# KiCad board rabbit_mask.kicad_pcb (continued)
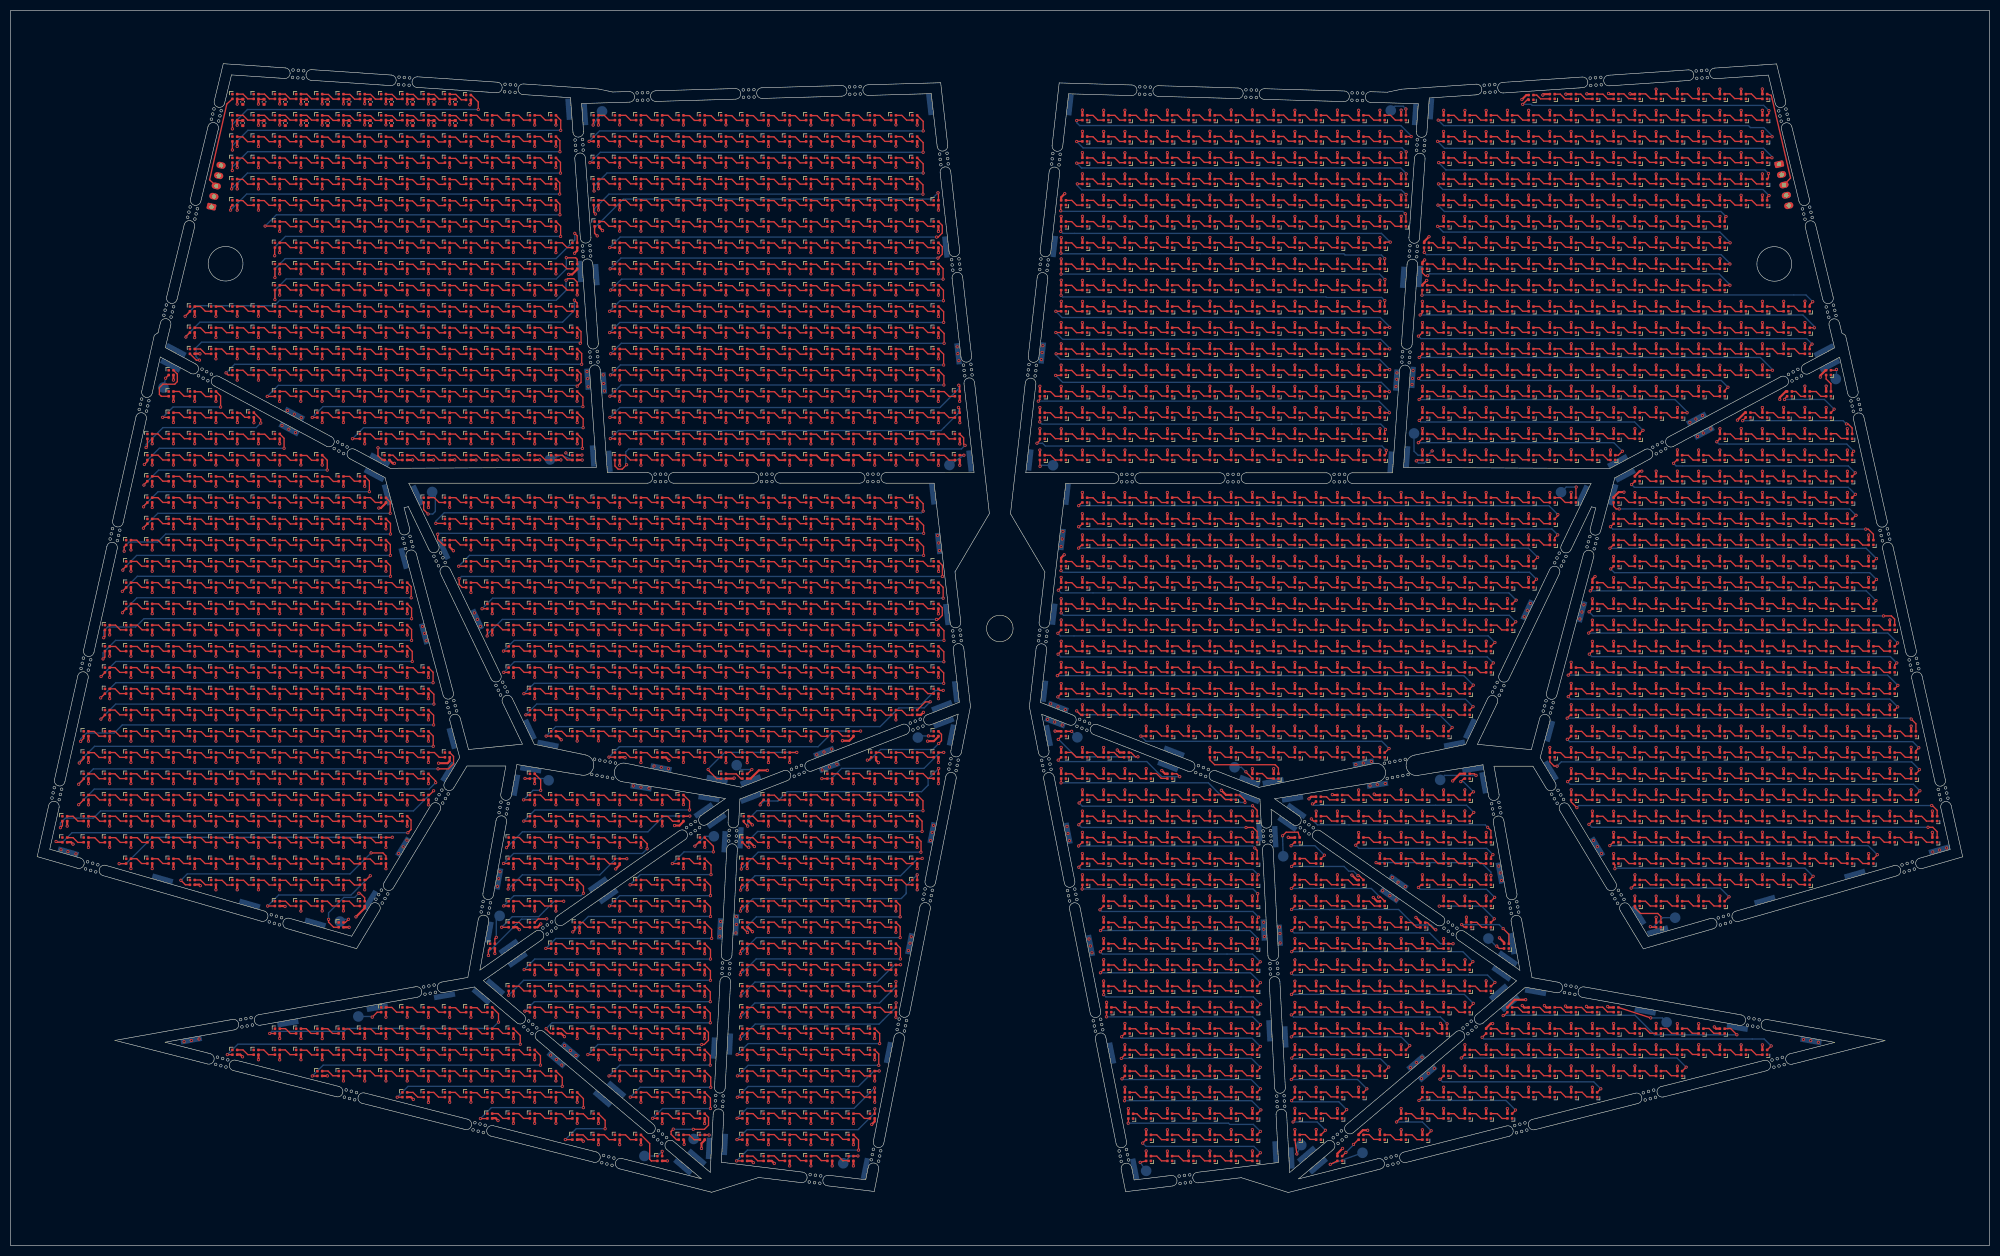
[diagram p0: board, top side]
## Placement (name value [footprint] x y rotation side) (continued)
D1842  SK6812-1515  [LED_SK6812_EC15_1.5x1.5mm]  282.2 172.36 180 top
D1843  SK6812-1515  [LED_SK6812_EC15_1.5x1.5mm]  286.2 172.36 180 top
D1844  SK6812-1515  [LED_SK6812_EC15_1.5x1.5mm]  290.2 172.36 180 top
D1845  SK6812-1515  [LED_SK6812_EC15_1.5x1.5mm]  294.2 172.36 180 top
D1846  SK6812-1515  [LED_SK6812_EC15_1.5x1.5mm]  298.2 172.36 180 top
D1847  SK6812-1515  [LED_SK6812_EC15_1.5x1.5mm]  302.2 172.36 180 top
D1848  SK6812-1515  [LED_SK6812_EC15_1.5x1.5mm]  306.2 172.36 180 top
D1849  SK6812-1515  [LED_SK6812_EC15_1.5x1.5mm]  310.2 172.36 180 top
D1850  SK6812-1515  [LED_SK6812_EC15_1.5x1.5mm]  314.2 172.36 180 top
D1851  SK6812-1515  [LED_SK6812_EC15_1.5x1.5mm]  318.2 172.36 180 top
D1852  SK6812-1515  [LED_SK6812_EC15_1.5x1.5mm]  322.2 172.36 180 top
D1853  SK6812-1515  [LED_SK6812_EC15_1.5x1.5mm]  326.2 172.36 180 top
D1854  SK6812-1515  [LED_SK6812_EC15_1.5x1.5mm]  330.2 172.36 180 top
D1855  SK6812-1515  [LED_SK6812_EC15_1.5x1.5mm]  334.2 172.36 180 top
D1856  SK6812-1515  [LED_SK6812_EC15_1.5x1.5mm]  338.2 172.36 180 top
D1857  SK6812-1515  [LED_SK6812_EC15_1.5x1.5mm]  198.2 168.36 180 top
D1858  SK6812-1515  [LED_SK6812_EC15_1.5x1.5mm]  202.2 168.36 180 top
D1859  SK6812-1515  [LED_SK6812_EC15_1.5x1.5mm]  206.2 168.36 180 top
D1860  SK6812-1515  [LED_SK6812_EC15_1.5x1.5mm]  210.2 168.36 180 top
D1861  SK6812-1515  [LED_SK6812_EC15_1.5x1.5mm]  214.2 168.36 180 top
D1862  SK6812-1515  [LED_SK6812_EC15_1.5x1.5mm]  218.2 168.36 180 top
D1863  SK6812-1515  [LED_SK6812_EC15_1.5x1.5mm]  222.2 168.36 180 top
D1864  SK6812-1515  [LED_SK6812_EC15_1.5x1.5mm]  226.2 168.36 180 top
D1865  SK6812-1515  [LED_SK6812_EC15_1.5x1.5mm]  230.2 168.36 180 top
D1866  SK6812-1515  [LED_SK6812_EC15_1.5x1.5mm]  234.2 168.36 180 top
D1867  SK6812-1515  [LED_SK6812_EC15_1.5x1.5mm]  238.2 168.36 180 top
D1868  SK6812-1515  [LED_SK6812_EC15_1.5x1.5mm]  242.2 168.36 180 top
D1869  SK6812-1515  [LED_SK6812_EC15_1.5x1.5mm]  246.2 168.36 180 top
D1870  SK6812-1515  [LED_SK6812_EC15_1.5x1.5mm]  250.2 168.36 180 top
D1871  SK6812-1515  [LED_SK6812_EC15_1.5x1.5mm]  254.2 168.36 180 top
D1872  SK6812-1515  [LED_SK6812_EC15_1.5x1.5mm]  258.2 168.36 180 top
D1873  SK6812-1515  [LED_SK6812_EC15_1.5x1.5mm]  266.2 168.36 180 top
D1874  SK6812-1515  [LED_SK6812_EC15_1.5x1.5mm]  270.2 168.36 180 top
D1875  SK6812-1515  [LED_SK6812_EC15_1.5x1.5mm]  274.2 168.36 180 top
D1876  SK6812-1515  [LED_SK6812_EC15_1.5x1.5mm]  278.2 168.36 180 top
D1877  SK6812-1515  [LED_SK6812_EC15_1.5x1.5mm]  282.2 168.36 180 top
D1878  SK6812-1515  [LED_SK6812_EC15_1.5x1.5mm]  286.2 168.36 180 top
D1879  SK6812-1515  [LED_SK6812_EC15_1.5x1.5mm]  290.2 168.36 180 top
D1880  SK6812-1515  [LED_SK6812_EC15_1.5x1.5mm]  294.2 168.36 180 top
D1881  SK6812-1515  [LED_SK6812_EC15_1.5x1.5mm]  298.2 168.36 180 top
D1882  SK6812-1515  [LED_SK6812_EC15_1.5x1.5mm]  302.2 168.36 180 top
D1883  SK6812-1515  [LED_SK6812_EC15_1.5x1.5mm]  306.2 168.36 180 top
D1884  SK6812-1515  [LED_SK6812_EC15_1.5x1.5mm]  310.2 168.36 180 top
D1885  SK6812-1515  [LED_SK6812_EC15_1.5x1.5mm]  314.2 168.36 180 top
D1886  SK6812-1515  [LED_SK6812_EC15_1.5x1.5mm]  318.2 168.36 180 top
D1887  SK6812-1515  [LED_SK6812_EC15_1.5x1.5mm]  322.2 168.36 180 top
D1888  SK6812-1515  [LED_SK6812_EC15_1.5x1.5mm]  326.2 168.36 180 top
D1889  SK6812-1515  [LED_SK6812_EC15_1.5x1.5mm]  330.2 168.36 180 top
D1890  SK6812-1515  [LED_SK6812_EC15_1.5x1.5mm]  334.2 168.36 180 top
D1891  SK6812-1515  [LED_SK6812_EC15_1.5x1.5mm]  338.2 168.36 180 top
D1892  SK6812-1515  [LED_SK6812_EC15_1.5x1.5mm]  198.2 164.36 180 top
D1893  SK6812-1515  [LED_SK6812_EC15_1.5x1.5mm]  202.2 164.36 180 top
D1894  SK6812-1515  [LED_SK6812_EC15_1.5x1.5mm]  206.2 164.36 180 top
D1895  SK6812-1515  [LED_SK6812_EC15_1.5x1.5mm]  210.2 164.36 180 top
D1896  SK6812-1515  [LED_SK6812_EC15_1.5x1.5mm]  214.2 164.36 180 top
D1897  SK6812-1515  [LED_SK6812_EC15_1.5x1.5mm]  218.2 164.36 180 top
D1898  SK6812-1515  [LED_SK6812_EC15_1.5x1.5mm]  222.2 164.36 180 top
D1899  SK6812-1515  [LED_SK6812_EC15_1.5x1.5mm]  226.2 164.36 180 top
D1900  SK6812-1515  [LED_SK6812_EC15_1.5x1.5mm]  230.2 164.36 180 top
D1901  SK6812-1515  [LED_SK6812_EC15_1.5x1.5mm]  234.2 164.36 180 top
D1902  SK6812-1515  [LED_SK6812_EC15_1.5x1.5mm]  238.2 164.36 180 top
D1903  SK6812-1515  [LED_SK6812_EC15_1.5x1.5mm]  242.2 164.36 180 top
D1904  SK6812-1515  [LED_SK6812_EC15_1.5x1.5mm]  246.2 164.36 180 top
D1905  SK6812-1515  [LED_SK6812_EC15_1.5x1.5mm]  250.2 164.36 180 top
D1906  SK6812-1515  [LED_SK6812_EC15_1.5x1.5mm]  254.2 164.36 180 top
D1907  SK6812-1515  [LED_SK6812_EC15_1.5x1.5mm]  258.2 164.36 180 top
D1908  SK6812-1515  [LED_SK6812_EC15_1.5x1.5mm]  266.2 164.36 180 top
D1909  SK6812-1515  [LED_SK6812_EC15_1.5x1.5mm]  270.2 164.36 180 top
D1910  SK6812-1515  [LED_SK6812_EC15_1.5x1.5mm]  274.2 164.36 180 top
D1911  SK6812-1515  [LED_SK6812_EC15_1.5x1.5mm]  278.2 164.36 180 top
D1912  SK6812-1515  [LED_SK6812_EC15_1.5x1.5mm]  282.2 164.36 180 top
D1913  SK6812-1515  [LED_SK6812_EC15_1.5x1.5mm]  286.2 164.36 180 top
D1914  SK6812-1515  [LED_SK6812_EC15_1.5x1.5mm]  290.2 164.36 180 top
D1915  SK6812-1515  [LED_SK6812_EC15_1.5x1.5mm]  294.2 164.36 180 top
D1916  SK6812-1515  [LED_SK6812_EC15_1.5x1.5mm]  298.2 164.36 180 top
D1917  SK6812-1515  [LED_SK6812_EC15_1.5x1.5mm]  302.2 164.36 180 top
D1918  SK6812-1515  [LED_SK6812_EC15_1.5x1.5mm]  306.2 164.36 180 top
D1919  SK6812-1515  [LED_SK6812_EC15_1.5x1.5mm]  310.2 164.36 180 top
D1920  SK6812-1515  [LED_SK6812_EC15_1.5x1.5mm]  314.2 164.36 180 top
D1921  SK6812-1515  [LED_SK6812_EC15_1.5x1.5mm]  318.2 164.36 180 top
D1922  SK6812-1515  [LED_SK6812_EC15_1.5x1.5mm]  322.2 164.36 180 top
D1923  SK6812-1515  [LED_SK6812_EC15_1.5x1.5mm]  326.2 164.36 180 top
D1924  SK6812-1515  [LED_SK6812_EC15_1.5x1.5mm]  330.2 164.36 180 top
D1925  SK6812-1515  [LED_SK6812_EC15_1.5x1.5mm]  342.2 164.36 180 top
D1926  SK6812-1515  [LED_SK6812_EC15_1.5x1.5mm]  194.2 160.36 180 top
D1927  SK6812-1515  [LED_SK6812_EC15_1.5x1.5mm]  198.2 160.36 180 top
D1928  SK6812-1515  [LED_SK6812_EC15_1.5x1.5mm]  202.2 160.36 180 top
D1929  SK6812-1515  [LED_SK6812_EC15_1.5x1.5mm]  206.2 160.36 180 top
D1930  SK6812-1515  [LED_SK6812_EC15_1.5x1.5mm]  210.2 160.36 180 top
D1931  SK6812-1515  [LED_SK6812_EC15_1.5x1.5mm]  214.2 160.36 180 top
D1932  SK6812-1515  [LED_SK6812_EC15_1.5x1.5mm]  218.2 160.36 180 top
D1933  SK6812-1515  [LED_SK6812_EC15_1.5x1.5mm]  222.2 160.36 180 top
D1934  SK6812-1515  [LED_SK6812_EC15_1.5x1.5mm]  226.2 160.36 180 top
D1935  SK6812-1515  [LED_SK6812_EC15_1.5x1.5mm]  230.2 160.36 180 top
D1936  SK6812-1515  [LED_SK6812_EC15_1.5x1.5mm]  234.2 160.36 180 top
D1937  SK6812-1515  [LED_SK6812_EC15_1.5x1.5mm]  238.2 160.36 180 top
D1938  SK6812-1515  [LED_SK6812_EC15_1.5x1.5mm]  242.2 160.36 180 top
D1939  SK6812-1515  [LED_SK6812_EC15_1.5x1.5mm]  246.2 160.36 180 top
D1940  SK6812-1515  [LED_SK6812_EC15_1.5x1.5mm]  250.2 160.36 180 top
D1941  SK6812-1515  [LED_SK6812_EC15_1.5x1.5mm]  254.2 160.36 180 top
D1942  SK6812-1515  [LED_SK6812_EC15_1.5x1.5mm]  258.2 160.36 180 top
D1943  SK6812-1515  [LED_SK6812_EC15_1.5x1.5mm]  266.2 160.36 180 top
D1944  SK6812-1515  [LED_SK6812_EC15_1.5x1.5mm]  270.2 160.36 180 top
D1945  SK6812-1515  [LED_SK6812_EC15_1.5x1.5mm]  274.2 160.36 180 top
D1946  SK6812-1515  [LED_SK6812_EC15_1.5x1.5mm]  278.2 160.36 180 top
D1947  SK6812-1515  [LED_SK6812_EC15_1.5x1.5mm]  282.2 160.36 180 top
D1948  SK6812-1515  [LED_SK6812_EC15_1.5x1.5mm]  286.2 160.36 180 top
D1949  SK6812-1515  [LED_SK6812_EC15_1.5x1.5mm]  290.2 160.36 180 top
D1950  SK6812-1515  [LED_SK6812_EC15_1.5x1.5mm]  294.2 160.36 180 top
D1951  SK6812-1515  [LED_SK6812_EC15_1.5x1.5mm]  298.2 160.36 180 top
D1952  SK6812-1515  [LED_SK6812_EC15_1.5x1.5mm]  302.2 160.36 180 top
D1953  SK6812-1515  [LED_SK6812_EC15_1.5x1.5mm]  306.2 160.36 180 top
D1954  SK6812-1515  [LED_SK6812_EC15_1.5x1.5mm]  310.2 160.36 180 top
D1955  SK6812-1515  [LED_SK6812_EC15_1.5x1.5mm]  314.2 160.36 180 top
D1956  SK6812-1515  [LED_SK6812_EC15_1.5x1.5mm]  318.2 160.36 180 top
D1957  SK6812-1515  [LED_SK6812_EC15_1.5x1.5mm]  322.2 160.36 180 top
D1958  SK6812-1515  [LED_SK6812_EC15_1.5x1.5mm]  334.85 160.36 180 top
D1959  SK6812-1515  [LED_SK6812_EC15_1.5x1.5mm]  338.2 160.36 180 top
D1960  SK6812-1515  [LED_SK6812_EC15_1.5x1.5mm]  342.2 160.36 180 top
D1961  SK6812-1515  [LED_SK6812_EC15_1.5x1.5mm]  194.2 156.36 180 top
D1962  SK6812-1515  [LED_SK6812_EC15_1.5x1.5mm]  198.2 156.36 180 top
D1963  SK6812-1515  [LED_SK6812_EC15_1.5x1.5mm]  202.2 156.36 180 top
D1964  SK6812-1515  [LED_SK6812_EC15_1.5x1.5mm]  206.2 156.36 180 top
D1965  SK6812-1515  [LED_SK6812_EC15_1.5x1.5mm]  210.2 156.36 180 top
D1966  SK6812-1515  [LED_SK6812_EC15_1.5x1.5mm]  214.2 156.36 180 top
D1967  SK6812-1515  [LED_SK6812_EC15_1.5x1.5mm]  218.2 156.36 180 top
D1968  SK6812-1515  [LED_SK6812_EC15_1.5x1.5mm]  222.2 156.36 180 top
D1969  SK6812-1515  [LED_SK6812_EC15_1.5x1.5mm]  226.2 156.36 180 top
D1970  SK6812-1515  [LED_SK6812_EC15_1.5x1.5mm]  230.2 156.36 180 top
D1971  SK6812-1515  [LED_SK6812_EC15_1.5x1.5mm]  234.2 156.36 180 top
D1972  SK6812-1515  [LED_SK6812_EC15_1.5x1.5mm]  238.2 156.36 180 top
D1973  SK6812-1515  [LED_SK6812_EC15_1.5x1.5mm]  242.2 156.36 180 top
D1974  SK6812-1515  [LED_SK6812_EC15_1.5x1.5mm]  246.2 156.36 180 top
D1975  SK6812-1515  [LED_SK6812_EC15_1.5x1.5mm]  250.2 156.36 180 top
D1976  SK6812-1515  [LED_SK6812_EC15_1.5x1.5mm]  254.2 156.36 180 top
D1977  SK6812-1515  [LED_SK6812_EC15_1.5x1.5mm]  258.2 156.36 180 top
D1978  SK6812-1515  [LED_SK6812_EC15_1.5x1.5mm]  266.2 156.36 180 top
D1979  SK6812-1515  [LED_SK6812_EC15_1.5x1.5mm]  270.2 156.36 180 top
D1980  SK6812-1515  [LED_SK6812_EC15_1.5x1.5mm]  274.2 156.36 180 top
D1981  SK6812-1515  [LED_SK6812_EC15_1.5x1.5mm]  278.2 156.36 180 top
D1982  SK6812-1515  [LED_SK6812_EC15_1.5x1.5mm]  282.2 156.36 180 top
D1983  SK6812-1515  [LED_SK6812_EC15_1.5x1.5mm]  286.2 156.36 180 top
D1984  SK6812-1515  [LED_SK6812_EC15_1.5x1.5mm]  290.2 156.36 180 top
D1985  SK6812-1515  [LED_SK6812_EC15_1.5x1.5mm]  294.2 156.36 180 top
D1986  SK6812-1515  [LED_SK6812_EC15_1.5x1.5mm]  298.2 156.36 180 top
D1987  SK6812-1515  [LED_SK6812_EC15_1.5x1.5mm]  302.2 156.36 180 top
D1988  SK6812-1515  [LED_SK6812_EC15_1.5x1.5mm]  306.2 156.36 180 top
D1989  SK6812-1515  [LED_SK6812_EC15_1.5x1.5mm]  310.2 156.36 180 top
D1990  SK6812-1515  [LED_SK6812_EC15_1.5x1.5mm]  314.2 156.36 180 top
D1991  SK6812-1515  [LED_SK6812_EC15_1.5x1.5mm]  327.05 156.39 180 top
D1992  SK6812-1515  [LED_SK6812_EC15_1.5x1.5mm]  330.2 156.36 180 top
D1993  SK6812-1515  [LED_SK6812_EC15_1.5x1.5mm]  334.2 156.36 180 top
D1994  SK6812-1515  [LED_SK6812_EC15_1.5x1.5mm]  338.2 156.36 180 top
D1995  SK6812-1515  [LED_SK6812_EC15_1.5x1.5mm]  342.2 156.36 180 top
D1996  SK6812-1515  [LED_SK6812_EC15_1.5x1.5mm]  194.2 152.36 180 top
D1997  SK6812-1515  [LED_SK6812_EC15_1.5x1.5mm]  198.2 152.36 180 top
D1998  SK6812-1515  [LED_SK6812_EC15_1.5x1.5mm]  202.2 152.36 180 top
D1999  SK6812-1515  [LED_SK6812_EC15_1.5x1.5mm]  206.2 152.36 180 top
D2000  SK6812-1515  [LED_SK6812_EC15_1.5x1.5mm]  210.2 152.36 180 top
D2001  SK6812-1515  [LED_SK6812_EC15_1.5x1.5mm]  214.2 152.36 180 top
D2002  SK6812-1515  [LED_SK6812_EC15_1.5x1.5mm]  218.2 152.36 180 top
D2003  SK6812-1515  [LED_SK6812_EC15_1.5x1.5mm]  222.2 152.36 180 top
D2004  SK6812-1515  [LED_SK6812_EC15_1.5x1.5mm]  226.2 152.36 180 top
D2005  SK6812-1515  [LED_SK6812_EC15_1.5x1.5mm]  230.2 152.36 180 top
D2006  SK6812-1515  [LED_SK6812_EC15_1.5x1.5mm]  234.2 152.36 180 top
D2007  SK6812-1515  [LED_SK6812_EC15_1.5x1.5mm]  238.2 152.36 180 top
D2008  SK6812-1515  [LED_SK6812_EC15_1.5x1.5mm]  242.2 152.36 180 top
D2009  SK6812-1515  [LED_SK6812_EC15_1.5x1.5mm]  246.2 152.36 180 top
D2010  SK6812-1515  [LED_SK6812_EC15_1.5x1.5mm]  250.2 152.36 180 top
D2011  SK6812-1515  [LED_SK6812_EC15_1.5x1.5mm]  254.2 152.36 180 top
D2012  SK6812-1515  [LED_SK6812_EC15_1.5x1.5mm]  258.2 152.36 180 top
D2013  SK6812-1515  [LED_SK6812_EC15_1.5x1.5mm]  266.2 152.36 180 top
D2014  SK6812-1515  [LED_SK6812_EC15_1.5x1.5mm]  270.2 152.36 180 top
D2015  SK6812-1515  [LED_SK6812_EC15_1.5x1.5mm]  274.2 152.36 180 top
D2016  SK6812-1515  [LED_SK6812_EC15_1.5x1.5mm]  278.2 152.36 180 top
D2017  SK6812-1515  [LED_SK6812_EC15_1.5x1.5mm]  282.2 152.36 180 top
D2018  SK6812-1515  [LED_SK6812_EC15_1.5x1.5mm]  286.2 152.36 180 top
D2019  SK6812-1515  [LED_SK6812_EC15_1.5x1.5mm]  290.2 152.36 180 top
D2020  SK6812-1515  [LED_SK6812_EC15_1.5x1.5mm]  294.2 152.36 180 top
D2021  SK6812-1515  [LED_SK6812_EC15_1.5x1.5mm]  298.2 152.36 180 top
D2022  SK6812-1515  [LED_SK6812_EC15_1.5x1.5mm]  302.2 152.36 180 top
D2023  SK6812-1515  [LED_SK6812_EC15_1.5x1.5mm]  306.2 152.36 180 top
D2024  SK6812-1515  [LED_SK6812_EC15_1.5x1.5mm]  322.2 152.36 180 top
D2025  SK6812-1515  [LED_SK6812_EC15_1.5x1.5mm]  326.2 152.36 180 top
D2026  SK6812-1515  [LED_SK6812_EC15_1.5x1.5mm]  330.2 152.36 180 top
D2027  SK6812-1515  [LED_SK6812_EC15_1.5x1.5mm]  334.2 152.36 180 top
D2028  SK6812-1515  [LED_SK6812_EC15_1.5x1.5mm]  338.2 152.36 180 top
D2029  SK6812-1515  [LED_SK6812_EC15_1.5x1.5mm]  342.2 152.36 180 top
D2030  SK6812-1515  [LED_SK6812_EC15_1.5x1.5mm]  346.2 152.36 180 top
D2031  SK6812-1515  [LED_SK6812_EC15_1.5x1.5mm]  194.2 148.36 180 top
D2032  SK6812-1515  [LED_SK6812_EC15_1.5x1.5mm]  198.2 148.36 180 top
D2033  SK6812-1515  [LED_SK6812_EC15_1.5x1.5mm]  202.2 148.36 180 top
D2034  SK6812-1515  [LED_SK6812_EC15_1.5x1.5mm]  206.2 148.36 180 top
D2035  SK6812-1515  [LED_SK6812_EC15_1.5x1.5mm]  210.2 148.36 180 top
D2036  SK6812-1515  [LED_SK6812_EC15_1.5x1.5mm]  214.2 148.36 180 top
D2037  SK6812-1515  [LED_SK6812_EC15_1.5x1.5mm]  218.2 148.36 180 top
D2038  SK6812-1515  [LED_SK6812_EC15_1.5x1.5mm]  222.2 148.36 180 top
D2039  SK6812-1515  [LED_SK6812_EC15_1.5x1.5mm]  226.2 148.36 180 top
D2040  SK6812-1515  [LED_SK6812_EC15_1.5x1.5mm]  230.2 148.36 180 top
D2041  SK6812-1515  [LED_SK6812_EC15_1.5x1.5mm]  234.2 148.36 180 top
D2042  SK6812-1515  [LED_SK6812_EC15_1.5x1.5mm]  238.2 148.36 180 top
D2043  SK6812-1515  [LED_SK6812_EC15_1.5x1.5mm]  242.2 148.36 180 top
D2044  SK6812-1515  [LED_SK6812_EC15_1.5x1.5mm]  246.2 148.36 180 top
D2045  SK6812-1515  [LED_SK6812_EC15_1.5x1.5mm]  250.2 148.36 180 top
D2046  SK6812-1515  [LED_SK6812_EC15_1.5x1.5mm]  254.2 148.36 180 top
D2047  SK6812-1515  [LED_SK6812_EC15_1.5x1.5mm]  258.2 148.36 180 top
D2048  SK6812-1515  [LED_SK6812_EC15_1.5x1.5mm]  266.2 148.36 180 top
D2049  SK6812-1515  [LED_SK6812_EC15_1.5x1.5mm]  270.2 148.36 180 top
D2050  SK6812-1515  [LED_SK6812_EC15_1.5x1.5mm]  274.2 148.36 180 top
D2051  SK6812-1515  [LED_SK6812_EC15_1.5x1.5mm]  278.2 148.36 180 top
D2052  SK6812-1515  [LED_SK6812_EC15_1.5x1.5mm]  282.2 148.36 180 top
D2053  SK6812-1515  [LED_SK6812_EC15_1.5x1.5mm]  286.2 148.36 180 top
D2054  SK6812-1515  [LED_SK6812_EC15_1.5x1.5mm]  290.2 148.36 180 top
D2055  SK6812-1515  [LED_SK6812_EC15_1.5x1.5mm]  294.2 148.36 180 top
D2056  SK6812-1515  [LED_SK6812_EC15_1.5x1.5mm]  298.2 148.36 180 top
D2057  SK6812-1515  [LED_SK6812_EC15_1.5x1.5mm]  301.6 148.36 180 top
D2058  SK6812-1515  [LED_SK6812_EC15_1.5x1.5mm]  314.2 148.36 180 top
D2059  SK6812-1515  [LED_SK6812_EC15_1.5x1.5mm]  318.2 148.36 180 top
D2060  SK6812-1515  [LED_SK6812_EC15_1.5x1.5mm]  322.2 148.36 180 top
D2061  SK6812-1515  [LED_SK6812_EC15_1.5x1.5mm]  326.2 148.36 180 top
D2062  SK6812-1515  [LED_SK6812_EC15_1.5x1.5mm]  330.2 148.36 180 top
D2063  SK6812-1515  [LED_SK6812_EC15_1.5x1.5mm]  334.2 148.36 180 top
D2064  SK6812-1515  [LED_SK6812_EC15_1.5x1.5mm]  338.2 148.36 180 top
D2065  SK6812-1515  [LED_SK6812_EC15_1.5x1.5mm]  342.2 148.36 180 top
D2066  SK6812-1515  [LED_SK6812_EC15_1.5x1.5mm]  346.2 148.36 180 top
D2067  SK6812-1515  [LED_SK6812_EC15_1.5x1.5mm]  306.2 144.36 180 top
D2068  SK6812-1515  [LED_SK6812_EC15_1.5x1.5mm]  310.2 144.36 180 top
D2069  SK6812-1515  [LED_SK6812_EC15_1.5x1.5mm]  314.2 144.36 180 top
D2070  SK6812-1515  [LED_SK6812_EC15_1.5x1.5mm]  318.2 144.36 180 top
D2071  SK6812-1515  [LED_SK6812_EC15_1.5x1.5mm]  322.2 144.36 180 top
D2072  SK6812-1515  [LED_SK6812_EC15_1.5x1.5mm]  326.2 144.36 180 top
D2073  SK6812-1515  [LED_SK6812_EC15_1.5x1.5mm]  330.2 144.36 180 top
D2074  SK6812-1515  [LED_SK6812_EC15_1.5x1.5mm]  334.2 144.36 180 top
D2075  SK6812-1515  [LED_SK6812_EC15_1.5x1.5mm]  338.2 144.36 180 top
D2076  SK6812-1515  [LED_SK6812_EC15_1.5x1.5mm]  342.2 144.36 180 top
D2077  SK6812-1515  [LED_SK6812_EC15_1.5x1.5mm]  346.2 144.36 180 top
D2078  SK6812-1515  [LED_SK6812_EC15_1.5x1.5mm]  202.2 140.36 180 top
D2079  SK6812-1515  [LED_SK6812_EC15_1.5x1.5mm]  206.2 140.36 180 top
D2080  SK6812-1515  [LED_SK6812_EC15_1.5x1.5mm]  210.2 140.36 180 top
D2081  SK6812-1515  [LED_SK6812_EC15_1.5x1.5mm]  214.2 140.36 180 top
D2082  SK6812-1515  [LED_SK6812_EC15_1.5x1.5mm]  218.2 140.36 180 top
D2083  SK6812-1515  [LED_SK6812_EC15_1.5x1.5mm]  222.2 140.36 180 top
D2084  SK6812-1515  [LED_SK6812_EC15_1.5x1.5mm]  226.2 140.36 180 top
D2085  SK6812-1515  [LED_SK6812_EC15_1.5x1.5mm]  230.2 140.36 180 top
D2086  SK6812-1515  [LED_SK6812_EC15_1.5x1.5mm]  234.2 140.36 180 top
D2087  SK6812-1515  [LED_SK6812_EC15_1.5x1.5mm]  238.2 140.36 180 top
D2088  SK6812-1515  [LED_SK6812_EC15_1.5x1.5mm]  242.2 140.36 180 top
D2089  SK6812-1515  [LED_SK6812_EC15_1.5x1.5mm]  246.2 140.36 180 top
D2090  SK6812-1515  [LED_SK6812_EC15_1.5x1.5mm]  250.2 140.36 180 top
D2091  SK6812-1515  [LED_SK6812_EC15_1.5x1.5mm]  254.2 140.36 180 top
D2092  SK6812-1515  [LED_SK6812_EC15_1.5x1.5mm]  258.2 140.36 180 top
D2093  SK6812-1515  [LED_SK6812_EC15_1.5x1.5mm]  262.2 140.36 180 top
D2094  SK6812-1515  [LED_SK6812_EC15_1.5x1.5mm]  266.2 140.36 180 top
D2095  SK6812-1515  [LED_SK6812_EC15_1.5x1.5mm]  270.2 140.36 180 top
D2096  SK6812-1515  [LED_SK6812_EC15_1.5x1.5mm]  274.2 140.36 180 top
D2097  SK6812-1515  [LED_SK6812_EC15_1.5x1.5mm]  278.2 140.36 180 top
D2098  SK6812-1515  [LED_SK6812_EC15_1.5x1.5mm]  282.2 140.36 180 top
D2099  SK6812-1515  [LED_SK6812_EC15_1.5x1.5mm]  286.2 140.36 180 top
D2100  SK6812-1515  [LED_SK6812_EC15_1.5x1.5mm]  290.2 140.36 180 top
D2101  SK6812-1515  [LED_SK6812_EC15_1.5x1.5mm]  294.2 140.36 180 top
D2102  SK6812-1515  [LED_SK6812_EC15_1.5x1.5mm]  302.2 140.36 180 top
D2103  SK6812-1515  [LED_SK6812_EC15_1.5x1.5mm]  306.2 140.36 180 top
D2104  SK6812-1515  [LED_SK6812_EC15_1.5x1.5mm]  310.2 140.36 180 top
D2105  SK6812-1515  [LED_SK6812_EC15_1.5x1.5mm]  314.2 140.36 180 top
D2106  SK6812-1515  [LED_SK6812_EC15_1.5x1.5mm]  318.2 140.36 180 top
D2107  SK6812-1515  [LED_SK6812_EC15_1.5x1.5mm]  322.2 140.36 180 top
D2108  SK6812-1515  [LED_SK6812_EC15_1.5x1.5mm]  326.2 140.36 180 top
D2109  SK6812-1515  [LED_SK6812_EC15_1.5x1.5mm]  330.2 140.36 180 top
D2110  SK6812-1515  [LED_SK6812_EC15_1.5x1.5mm]  334.2 140.36 180 top
D2111  SK6812-1515  [LED_SK6812_EC15_1.5x1.5mm]  338.2 140.36 180 top
D2112  SK6812-1515  [LED_SK6812_EC15_1.5x1.5mm]  342.2 140.36 180 top
D2113  SK6812-1515  [LED_SK6812_EC15_1.5x1.5mm]  346.2 140.36 180 top
D2114  SK6812-1515  [LED_SK6812_EC15_1.5x1.5mm]  202.2 136.36 180 top
D2115  SK6812-1515  [LED_SK6812_EC15_1.5x1.5mm]  206.2 136.36 180 top
D2116  SK6812-1515  [LED_SK6812_EC15_1.5x1.5mm]  210.2 136.36 180 top
D2117  SK6812-1515  [LED_SK6812_EC15_1.5x1.5mm]  214.2 136.36 180 top
D2118  SK6812-1515  [LED_SK6812_EC15_1.5x1.5mm]  218.2 136.36 180 top
D2119  SK6812-1515  [LED_SK6812_EC15_1.5x1.5mm]  222.2 136.36 180 top
D2120  SK6812-1515  [LED_SK6812_EC15_1.5x1.5mm]  226.2 136.36 180 top
D2121  SK6812-1515  [LED_SK6812_EC15_1.5x1.5mm]  230.2 136.36 180 top
D2122  SK6812-1515  [LED_SK6812_EC15_1.5x1.5mm]  234.2 136.36 180 top
D2123  SK6812-1515  [LED_SK6812_EC15_1.5x1.5mm]  238.2 136.36 180 top
D2124  SK6812-1515  [LED_SK6812_EC15_1.5x1.5mm]  242.2 136.36 180 top
D2125  SK6812-1515  [LED_SK6812_EC15_1.5x1.5mm]  246.2 136.36 180 top
D2126  SK6812-1515  [LED_SK6812_EC15_1.5x1.5mm]  250.2 136.36 180 top
D2127  SK6812-1515  [LED_SK6812_EC15_1.5x1.5mm]  254.2 136.36 180 top
D2128  SK6812-1515  [LED_SK6812_EC15_1.5x1.5mm]  258.2 136.36 180 top
D2129  SK6812-1515  [LED_SK6812_EC15_1.5x1.5mm]  262.2 136.36 180 top
D2130  SK6812-1515  [LED_SK6812_EC15_1.5x1.5mm]  266.2 136.36 180 top
D2131  SK6812-1515  [LED_SK6812_EC15_1.5x1.5mm]  270.2 136.36 180 top
D2132  SK6812-1515  [LED_SK6812_EC15_1.5x1.5mm]  274.2 136.36 180 top
D2133  SK6812-1515  [LED_SK6812_EC15_1.5x1.5mm]  278.2 136.36 180 top
D2134  SK6812-1515  [LED_SK6812_EC15_1.5x1.5mm]  282.2 136.36 180 top
D2135  SK6812-1515  [LED_SK6812_EC15_1.5x1.5mm]  286.2 136.36 180 top
D2136  SK6812-1515  [LED_SK6812_EC15_1.5x1.5mm]  290.2 136.36 180 top
D2137  SK6812-1515  [LED_SK6812_EC15_1.5x1.5mm]  302.2 136.36 180 top
D2138  SK6812-1515  [LED_SK6812_EC15_1.5x1.5mm]  306.2 136.36 180 top
D2139  SK6812-1515  [LED_SK6812_EC15_1.5x1.5mm]  310.2 136.36 180 top
D2140  SK6812-1515  [LED_SK6812_EC15_1.5x1.5mm]  314.2 136.36 180 top
D2141  SK6812-1515  [LED_SK6812_EC15_1.5x1.5mm]  318.2 136.36 180 top
D2142  SK6812-1515  [LED_SK6812_EC15_1.5x1.5mm]  322.2 136.36 180 top
D2143  SK6812-1515  [LED_SK6812_EC15_1.5x1.5mm]  326.2 136.36 180 top
D2144  SK6812-1515  [LED_SK6812_EC15_1.5x1.5mm]  330.2 136.36 180 top
D2145  SK6812-1515  [LED_SK6812_EC15_1.5x1.5mm]  334.2 136.36 180 top
D2146  SK6812-1515  [LED_SK6812_EC15_1.5x1.5mm]  338.2 136.36 180 top
D2147  SK6812-1515  [LED_SK6812_EC15_1.5x1.5mm]  342.2 136.36 180 top
D2148  SK6812-1515  [LED_SK6812_EC15_1.5x1.5mm]  346.2 136.36 180 top
D2149  SK6812-1515  [LED_SK6812_EC15_1.5x1.5mm]  202.2 132.36 180 top
D2150  SK6812-1515  [LED_SK6812_EC15_1.5x1.5mm]  206.2 132.36 180 top
D2151  SK6812-1515  [LED_SK6812_EC15_1.5x1.5mm]  210.2 132.36 180 top
D2152  SK6812-1515  [LED_SK6812_EC15_1.5x1.5mm]  214.2 132.36 180 top
D2153  SK6812-1515  [LED_SK6812_EC15_1.5x1.5mm]  218.2 132.36 180 top
D2154  SK6812-1515  [LED_SK6812_EC15_1.5x1.5mm]  222.2 132.36 180 top
D2155  SK6812-1515  [LED_SK6812_EC15_1.5x1.5mm]  226.2 132.36 180 top
D2156  SK6812-1515  [LED_SK6812_EC15_1.5x1.5mm]  230.2 132.36 180 top
D2157  SK6812-1515  [LED_SK6812_EC15_1.5x1.5mm]  234.2 132.36 180 top
D2158  SK6812-1515  [LED_SK6812_EC15_1.5x1.5mm]  238.2 132.36 180 top
D2159  SK6812-1515  [LED_SK6812_EC15_1.5x1.5mm]  242.2 132.36 180 top
D2160  SK6812-1515  [LED_SK6812_EC15_1.5x1.5mm]  246.2 132.36 180 top
D2161  SK6812-1515  [LED_SK6812_EC15_1.5x1.5mm]  250.2 132.36 180 top
D2162  SK6812-1515  [LED_SK6812_EC15_1.5x1.5mm]  254.2 132.36 180 top
D2163  SK6812-1515  [LED_SK6812_EC15_1.5x1.5mm]  258.2 132.36 180 top
D2164  SK6812-1515  [LED_SK6812_EC15_1.5x1.5mm]  262.2 132.36 180 top
D2165  SK6812-1515  [LED_SK6812_EC15_1.5x1.5mm]  266.2 132.36 180 top
D2166  SK6812-1515  [LED_SK6812_EC15_1.5x1.5mm]  270.2 132.36 180 top
D2167  SK6812-1515  [LED_SK6812_EC15_1.5x1.5mm]  274.2 132.36 180 top
D2168  SK6812-1515  [LED_SK6812_EC15_1.5x1.5mm]  278.2 132.36 180 top
D2169  SK6812-1515  [LED_SK6812_EC15_1.5x1.5mm]  282.2 132.36 180 top
D2170  SK6812-1515  [LED_SK6812_EC15_1.5x1.5mm]  286.2 132.36 180 top
D2171  SK6812-1515  [LED_SK6812_EC15_1.5x1.5mm]  290.2 132.36 180 top
D2172  SK6812-1515  [LED_SK6812_EC15_1.5x1.5mm]  302.2 132.36 180 top
D2173  SK6812-1515  [LED_SK6812_EC15_1.5x1.5mm]  306.2 132.36 180 top
D2174  SK6812-1515  [LED_SK6812_EC15_1.5x1.5mm]  310.2 132.36 180 top
D2175  SK6812-1515  [LED_SK6812_EC15_1.5x1.5mm]  314.2 132.36 180 top
D2176  SK6812-1515  [LED_SK6812_EC15_1.5x1.5mm]  318.2 132.36 180 top
D2177  SK6812-1515  [LED_SK6812_EC15_1.5x1.5mm]  322.2 132.36 180 top
D2178  SK6812-1515  [LED_SK6812_EC15_1.5x1.5mm]  326.2 132.36 180 top
D2179  SK6812-1515  [LED_SK6812_EC15_1.5x1.5mm]  330.2 132.36 180 top
D2180  SK6812-1515  [LED_SK6812_EC15_1.5x1.5mm]  334.2 132.36 180 top
D2181  SK6812-1515  [LED_SK6812_EC15_1.5x1.5mm]  338.2 132.36 180 top
D2182  SK6812-1515  [LED_SK6812_EC15_1.5x1.5mm]  342.2 132.36 180 top
D2183  SK6812-1515  [LED_SK6812_EC15_1.5x1.5mm]  346.2 132.36 180 top
D2184  SK6812-1515  [LED_SK6812_EC15_1.5x1.5mm]  350.2 132.36 180 top
D2185  SK6812-1515  [LED_SK6812_EC15_1.5x1.5mm]  198.2 128.36 180 top
D2186  SK6812-1515  [LED_SK6812_EC15_1.5x1.5mm]  202.2 128.36 180 top
D2187  SK6812-1515  [LED_SK6812_EC15_1.5x1.5mm]  206.2 128.36 180 top
D2188  SK6812-1515  [LED_SK6812_EC15_1.5x1.5mm]  210.2 128.36 180 top
D2189  SK6812-1515  [LED_SK6812_EC15_1.5x1.5mm]  214.2 128.36 180 top
D2190  SK6812-1515  [LED_SK6812_EC15_1.5x1.5mm]  218.2 128.36 180 top
D2191  SK6812-1515  [LED_SK6812_EC15_1.5x1.5mm]  222.2 128.36 180 top
D2192  SK6812-1515  [LED_SK6812_EC15_1.5x1.5mm]  226.2 128.36 180 top
D2193  SK6812-1515  [LED_SK6812_EC15_1.5x1.5mm]  230.2 128.36 180 top
D2194  SK6812-1515  [LED_SK6812_EC15_1.5x1.5mm]  234.2 128.36 180 top
D2195  SK6812-1515  [LED_SK6812_EC15_1.5x1.5mm]  238.2 128.36 180 top
D2196  SK6812-1515  [LED_SK6812_EC15_1.5x1.5mm]  242.2 128.36 180 top
D2197  SK6812-1515  [LED_SK6812_EC15_1.5x1.5mm]  246.2 128.36 180 top
